# Altium PCB rf_test_source.PcbDoc (part 2 of 2)
Units mm, origin at the board's own origin, x right, y up, seen from the top; angles counter-clockwise.
Board outline 79.5 x 119 mm, 4 copper layers (Top Layer, GND, Inner Layer 2, Bottom Layer), stack 1.546 mm thick; 168 components, 112 nets, 446 pads, 122 vias.
Unrouted connection lines stored in the file: 110.
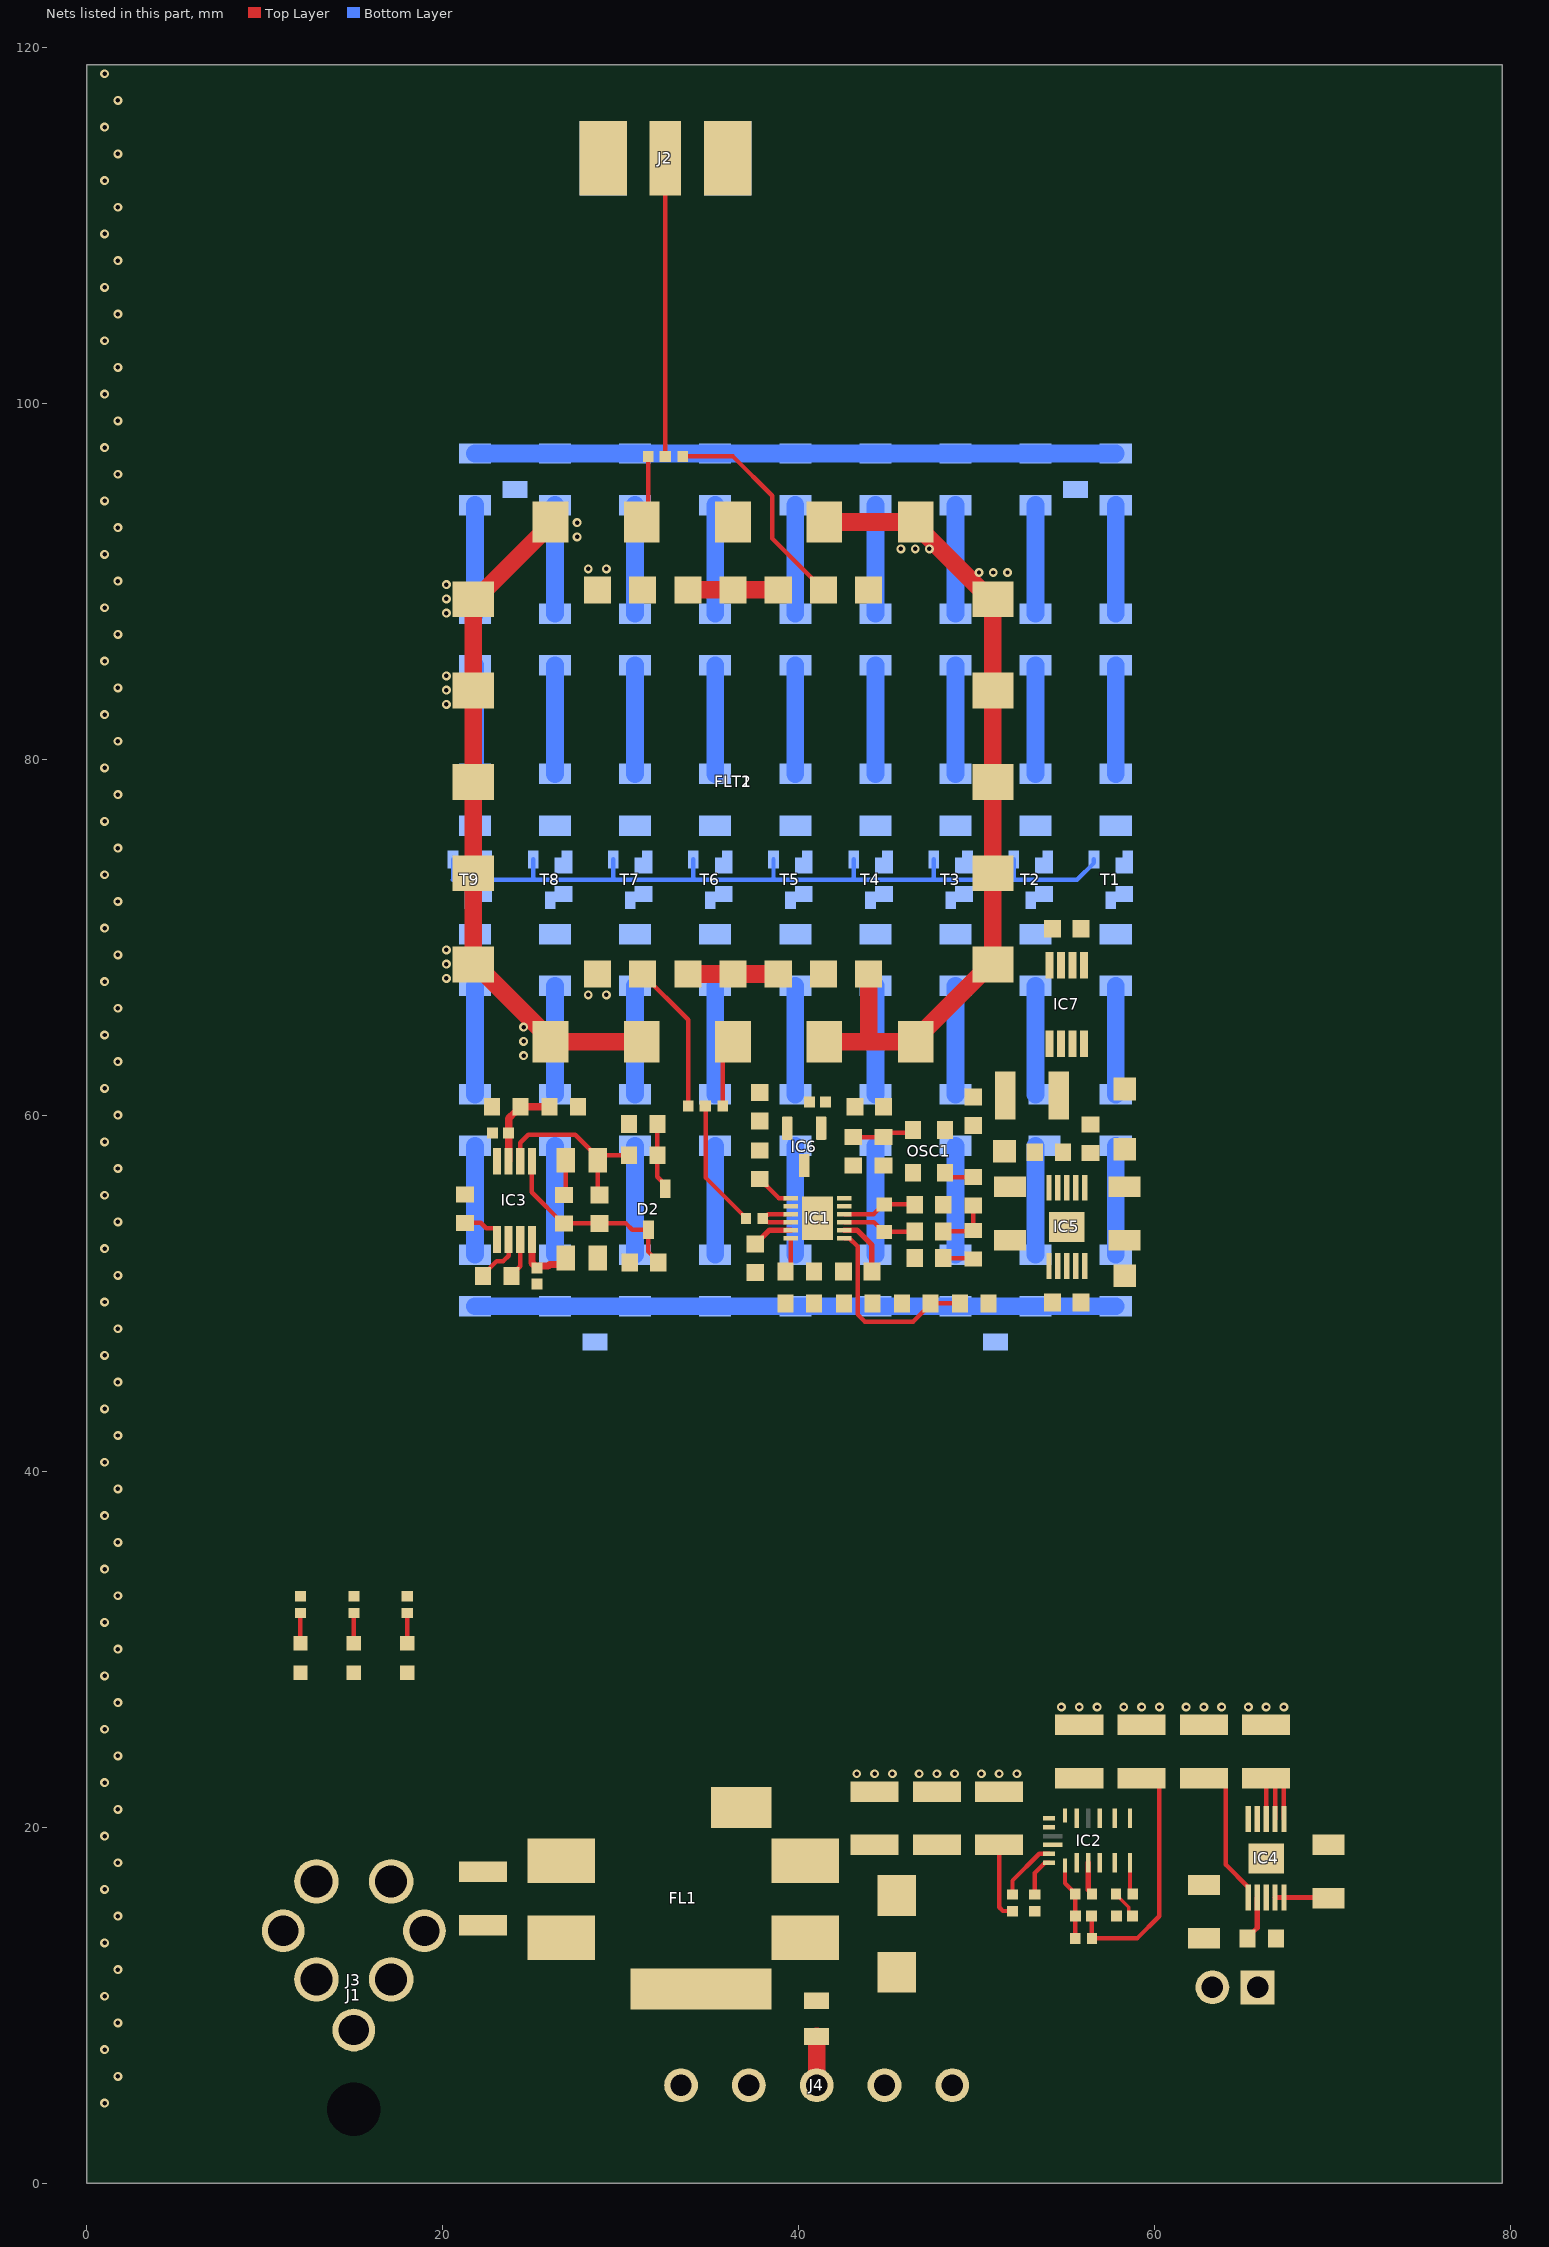
[diagram p4: the nets of this part, all layers, seen from the top]

## Part data (continued)
R4: library part R0603_50R_0.1%_0.125W_25PPM_VISHAY_FC0603E50R0BTBST1, "Resistor - 0.1%", Case=0603, Manufacturer="VISHAY DALE", Manufacturer Part Number=FC0603E50R0BTBST1, Power=0.125W, Tolerance=±0.1%, Author="CERN DEM JLC", Component Type=Standard, ComponentHeight=0.38mm, CreateDate=16.11.2017, HelpURL=\\cern.ch\dfs\Applications\Altium\Datasheets\R0603_VISHAY_FC.pdf, LatestRevisionDate=28.06.2022, Mounted=Yes, Part Description="High Frequency (up to 40 GHz) Thin Film Surface Mount Chip Resistor", Part Number=R0603_50R_0.1%_0.125W_25PPM_VISHAY_FC0603E50R0BTBST1, Pin Count=2, PressFit=No, Sense=No, SMD=Yes, Socket=No, Status="Not Recommended", TC=±25ppm/°C
R5 R6 R7 R8 R9 R10 R13 R14 R52 R53 R54 R55 R56 R57 R58 R59 R60: library part R0603_0R_JUMPER, "Resistor", Case=0603, Manufacturer=GENERIC, Manufacturer1 ComponentHeight=0.55mm, Manufacturer1 Example="NIC COMPONENT", Manufacturer1 Part Number=NRC06Z0, Author="CERN DEM JLC", Component Type=Standard, HelpURL=\\cern.ch\dfs\Applications\Altium\Datasheets\R0603_NIC_NRC.pdf, Manufacturer Part Number=R0603_0R_JUMPER, Part Description="1A (0.05R Max DC Resistance) Zero Ohm Jumper", Part Number=R0603_0R_JUMPER, Pin Count=2, PressFit=No, Sense=No, SMD=Yes, Socket=No, Status=Preferred
  R5 R9: CreateDate=03/12/2007, LatestRevisionDate=13/03/2008, Mounted=No
  R6 R7 R8 R10 R13 R14: CreateDate=03/12/2007, LatestRevisionDate=13/03/2008, Mounted=Yes
  R52 R53 R54 R55 R56 R57 R58 R59 R60: CreateDate=03.12.2007, LatestRevisionDate=13.03.2008, Mounted=Yes
R11: library part R0402_4R7_1%_0.0625W_200PPM, "Resistor - 1%", Case=0402, Manufacturer=GENERIC, Manufacturer1 ComponentHeight=0.4mm, Manufacturer1 Example="YAGEO PHYCOMP", Manufacturer1 Part Number=232270674708L, Power=0.0625W, Tolerance=±1%, Author="CERN DEM JLC", Component Type=Standard, CreateDate=03.12.2007, HelpURL=\\cern.ch\dfs\Applications\Altium\Datasheets\R0402_Phycomp_RC0402.pdf, LatestRevisionDate=17.10.2012, Manufacturer Part Number=R0402_4R7_1%_0.0625W_200PPM, Mounted=Yes, Part Description="General Purpose Thick Film Chip Resistor", Part Number=R0402_4R7_1%_0.0625W_200PPM, Pin Count=2, PressFit=No, Sense=No, SMD=Yes, Socket=No, Status="Not Recommended", TC=±200ppm/°C
R12: library part R0402_100K_1%_0.0625W_100PPM, "Resistor - 1%", Case=0402, Manufacturer=GENERIC, Manufacturer1 ComponentHeight=0.4mm, Manufacturer1 Example="YAGEO PHYCOMP", Manufacturer1 Part Number=232270671004L, Power=0.0625W, Tolerance=±1%, Author="CERN DEM JLC", Component Type=Standard, CreateDate=03.12.2007, HelpURL=\\cern.ch\dfs\Applications\Altium\Datasheets\R0402_Phycomp_RC0402.pdf, LatestRevisionDate=17.10.2012, Manufacturer Part Number=R0402_100K_1%_0.0625W_100PPM, Mounted=Yes, Part Description="General Purpose Thick Film Chip Resistor", Part Number=R0402_100K_1%_0.0625W_100PPM, Pin Count=2, PressFit=No, Sense=No, SMD=Yes, Socket=No, Status="Not Recommended", TC=±100ppm/°C
R15 R103: library part R0402_10K_1%_0.0625W_100PPM, "Resistor - 1%", Case=0402, Manufacturer=GENERIC, Manufacturer1 ComponentHeight=0.4mm, Manufacturer1 Example="YAGEO PHYCOMP", Manufacturer1 Part Number=232270671003L, Power=0.0625W, Tolerance=±1%, Author="CERN DEM JLC", Component Type=Standard, CreateDate=03.12.2007, HelpURL=\\cern.ch\dfs\Applications\Altium\Datasheets\R0402_Phycomp_RC0402.pdf, LatestRevisionDate=17.10.2012, Manufacturer Part Number=R0402_10K_1%_0.0625W_100PPM, Mounted=Yes, Part Description="General Purpose Thick Film Chip Resistor", Part Number=R0402_10K_1%_0.0625W_100PPM, Pin Count=2, PressFit=No, Sense=No, SMD=Yes, Socket=No, Status="Not Recommended", TC=±100ppm/°C
R16: library part R0402_51K_1%_0.0625W_100PPM, "Resistor - 1%", Case=0402, Manufacturer=GENERIC, Manufacturer1 ComponentHeight=0.4mm, Manufacturer1 Example="YAGEO PHYCOMP", Manufacturer1 Part Number=232270675103L, Power=0.0625W, Tolerance=±1%, Author="CERN DEM JLC", Component Type=Standard, CreateDate=03.12.2007, HelpURL=\\cern.ch\dfs\Applications\Altium\Datasheets\R0402_Phycomp_RC0402.pdf, LatestRevisionDate=17.10.2012, Manufacturer Part Number=R0402_51K_1%_0.0625W_100PPM, Mounted=Yes, Part Description="General Purpose Thick Film Chip Resistor", Part Number=R0402_51K_1%_0.0625W_100PPM, Pin Count=2, PressFit=No, Sense=No, SMD=Yes, Socket=No, Status="Not Recommended", TC=±100ppm/°C
R17 R20 R21 R95 R96: library part R0805_0R_JUMPER, "Resistor", Case=0805, Manufacturer=GENERIC, Manufacturer1 ComponentHeight=0.6mm, Manufacturer1 Example="NIC COMPONENT", Manufacturer1 Part Number=NRC10Z0, Author="CERN DEM JLC", Component Type=Standard, CreateDate=03.12.2007, HelpURL=\\cern.ch\dfs\Applications\Altium\Datasheets\R0805_NIC_NRC.pdf, LatestRevisionDate=13.03.2008, Manufacturer Part Number=R0805_0R_JUMPER, Mounted=Yes, Part Description="2A (0.05R Max DC Resistance) Zero Ohm Jumper", Part Number=R0805_0R_JUMPER, Pin Count=2, PressFit=No, Sense=No, SMD=Yes, Socket=No, Status=Preferred
R18 R22 R61 R84: library part R0603_1K_0.1%_0.063W_10PPM, "Resistor - 0.1%", Case=0603, Manufacturer=GENERIC, Manufacturer1 ComponentHeight=0.55mm, Manufacturer1 Example="TYCO HOLSWORTHY", Manufacturer1 Part Number=RN73C1J1K0BTG, Power=0.063W, Tolerance=±0.1%, Author="CERN DEM BC", Component Type=Standard, HelpURL=\\cern.ch\dfs\Applications\Altium\Datasheets\R0603_Tyco_RN73.pdf, Manufacturer Part Number=R0603_1K_0.1%_0.063W_10PPM, Mounted=Yes, Part Description="Thin Film Chip Resistor", Part Number=R0603_1K_0.1%_0.063W_10PPM, Pin Count=2, PressFit=No, Sense=No, SMD=Yes, Socket=No, Status="Not Recommended", TC=±10ppm
  R18 R22 R61: CreateDate=23.05.2016, LatestRevisionDate=23.05.2016
  R84: CreateDate=23/05/2016, LatestRevisionDate=23/05/2016
R19: library part R0402_5K6_1%_0.0625W_100PPM, "Resistor - 1%", Case=0402, Manufacturer=GENERIC, Manufacturer1 ComponentHeight=0.4mm, Manufacturer1 Example="YAGEO PHYCOMP", Manufacturer Part Number=R0402_5K62_1%_0.0625W_100PPM, Power=0.0625W, Tolerance=±1%, Author="CERN DEM JLC", Component Type=Standard, CreateDate=03.12.2007, HelpURL=\\cern.ch\dfs\Applications\Altium\Datasheets\R0402_Phycomp_RC0402.pdf, LatestRevisionDate=17.10.2012, Mounted=Yes, Part Description="General Purpose Thick Film Chip Resistor", Part Number=R0402_5K62_1%_0.0625W_100PPM, Pin Count=2, PressFit=No, Sense=No, SMD=Yes, Socket=No, Status="Not Recommended", TC=±100ppm/°C
R23 R24 R25 R26 R27 R28 R29 R30 R31 R33 R34 R35 R36 R37 R38 R39 R40 R41 R43 R44 R45 R46 R47 R48 R49 R50 R51 R65 R66 R67 R68 R69 R70 R71 R72 R73 R75 R76 R77 R78 R79 R80 R81 R82 R83 R86 R87 R88 R89 R90 R91 R92 R93 R94: library part R1206_43R_0.1%_0.25W_25PPM, "Resistor - 0.1%", Case=1206, Manufacturer=GENERIC, Manufacturer1 ComponentHeight=0.70mm, Manufacturer1 Example=KOA, Manufacturer1 Part Number=RN73H2BTTD43R0B25, Power=0.25W, Tolerance=±0.1%, Author="CERN DEM JLC", Component Type=Standard, CreateDate=03.12.2007, HelpURL=\\cern.ch\dfs\Applications\Altium\Datasheets\R1206_KOA_RN73H.pdf, LatestRevisionDate=13.03.2008, Manufacturer Part Number=R1206_43R_0.1%_0.25W_25PPM, Mounted=Yes, Part Description="Thin Film Chip Resistor", Part Number=R1206_43R_0.1%_0.25W_25PPM, Pin Count=2, PressFit=No, Sense=No, SMD=Yes, Socket=No, Status="Not Recommended", TC=±25ppm/°C
R32: library part R0603_49K9_0.1%_0.063W_10PPM, "Resistor - 0.1%", Case=0603, Manufacturer=GENERIC, Manufacturer1 ComponentHeight=0.5mm, Manufacturer1 Example="TYCO HOLSWORTHY", Manufacturer1 Part Number=RN73C1J49K9BTDF, Power=0.063W, Tolerance=±0.1%, Author="CERN DEM JLC", Component Type=Standard, CreateDate=03/12/2007, HelpURL=\\cern.ch\dfs\Applications\Altium\Datasheets\R0603_Tyco_RN73.pdf, LatestRevisionDate=13/03/2008, Manufacturer Part Number=R0603_49K9_0.1%_0.063W_10PPM, Mounted=Yes, Part Description="Thin Film Chip Resistor", Part Number=R0603_49K9_0.1%_0.063W_10PPM, Pin Count=2, PressFit=No, Sense=No, SMD=Yes, Socket=No, Status="Not Recommended", TC=±10ppm
R42: library part R0603_10M_1%_0.1W_100PPM, "Resistor - 1%", Case=0603, Manufacturer=GENERIC, Manufacturer1 ComponentHeight=0.55mm, Manufacturer1 Example=VISHAY, Manufacturer1 Part Number=CRCW060310M0FKEA, Power=0.1W, Tolerance=±1%, Author="CERN DEM JLC", Component Type=Standard, CreateDate=12.01.2017, HelpURL="\\cern.ch\dfs\Applications\Altium\Datasheets\R0603_VISHAY_CRCW e3.pdf", LatestRevisionDate=12.01.2017, Manufacturer Part Number=R0603_10M_1%_0.1W_100PPM, Mounted=Yes, Part Description="General Purpose Thick Film Chip Resistor", Part Number=R0603_10M_1%_0.1W_100PPM, Pin Count=2, PressFit=No, Sense=No, SMD=Yes, Socket=No, Status=Preferred, TC=±100ppm/°C
R62: library part R0603_100K_0.1%_0.063W_10PPM, "Resistor - 0.1%", Case=0603, Manufacturer=GENERIC, Manufacturer1 ComponentHeight=0.55mm, Manufacturer1 Example="TYCO HOLSWORTHY", Manufacturer1 Part Number=RN73C1J100KBTDF, Power=0.063W, Tolerance=±0.1%, Author="CERN DEM JLC", Component Type=Standard, CreateDate=03.12.2007, HelpURL=\\cern.ch\dfs\Applications\Altium\Datasheets\R0603_Tyco_RN73.pdf, LatestRevisionDate=13.03.2008, Manufacturer Part Number=R0603_100K_0.1%_0.063W_10PPM, Mounted=Yes, Part Description="Thin Film Chip Resistor", Part Number=R0603_100K_0.1%_0.063W_10PPM, Pin Count=2, PressFit=No, Sense=No, SMD=Yes, Socket=No, Status="Not Recommended", TC=±10ppm
R63 R85: library part R0603_10K_0.1%_0.063W_10PPM, "Resistor - 0.1%", Case=0603, Manufacturer=GENERIC, Manufacturer1 ComponentHeight=0.5mm, Manufacturer1 Example="TYCO HOLSWORTHY", Manufacturer1 Part Number=RN73C1J10KBTDF, Power=0.063W, Tolerance=±0.1%, Author="CERN DEM JLC", Component Type=Standard, CreateDate=03.12.2007, HelpURL=\\cern.ch\dfs\Applications\Altium\Datasheets\R0603_Tyco_RN73.pdf, LatestRevisionDate=13.03.2008, Manufacturer Part Number=R0603_10K_0.1%_0.063W_10PPM, Mounted=Yes, Part Description="Thin Film Chip Resistor", Part Number=R0603_10K_0.1%_0.063W_10PPM, Pin Count=2, PressFit=No, Sense=No, SMD=Yes, Socket=No, Status="Not Recommended", TC=±10ppm
R64: library part R0603_33K2_0.1%_0.063W_10PPM, "Resistor - 0.1%", Case=0603, Manufacturer=GENERIC, Manufacturer1 ComponentHeight=0.5mm, Manufacturer1 Example="TYCO HOLSWORTHY", Manufacturer1 Part Number=RN73C1J33K2BTDF, Power=0.063W, Tolerance=±0.1%, Author="CERN DEM JLC", Component Type=Standard, CreateDate=03/12/2007, HelpURL=\\cern.ch\dfs\Applications\Altium\Datasheets\R0603_Tyco_RN73.pdf, LatestRevisionDate=13/03/2008, Manufacturer Part Number=R0603_33K2_0.1%_0.063W_10PPM, Mounted=Yes, Part Description="Thin Film Chip Resistor", Part Number=R0603_33K2_0.1%_0.063W_10PPM, Pin Count=2, PressFit=No, Sense=No, SMD=Yes, Socket=No, Status="Not Recommended", TC=±10ppm
R74 R97 R99 R100: library part R0402_0R_JUMPER, "Resistor", Case=0402, Manufacturer=GENERIC, Manufacturer1 ComponentHeight=0.4mm, Manufacturer1 Example="YAGEO PHYCOMP", Manufacturer1 Part Number=232270591001L, Author="CERN DEM JLC", Component Type=Standard, CreateDate=03.12.2007, HelpURL=\\cern.ch\dfs\Applications\Altium\Datasheets\R0402_Phycomp_RC0402.pdf, LatestRevisionDate=17.10.2012, Manufacturer Part Number=R0402_0R_JUMPER, Mounted=Yes, Part Description="1A (0.05R Max DC Resistance) Zero Ohm Jumper", Part Number=R0402_0R_JUMPER, Pin Count=2, PressFit=No, Sense=No, SMD=Yes, Socket=No, Status="Not Recommended"
R98: library part R0603_20K_0.1%_0.063W_10PPM, "Resistor - 0.1%", Case=0603, Manufacturer=GENERIC, Manufacturer1 ComponentHeight=0.5mm, Manufacturer1 Example="TYCO HOLSWORTHY", Manufacturer1 Part Number=RN73C1J20KBTDF, Power=0.063W, Tolerance=±0.1%, Author="CERN DEM JLC", Component Type=Standard, CreateDate=03.12.2007, HelpURL=\\cern.ch\dfs\Applications\Altium\Datasheets\R0603_Tyco_RN73.pdf, LatestRevisionDate=13.03.2008, Manufacturer Part Number=R0603_20K_0.1%_0.063W_10PPM, Mounted=Yes, Part Description="Thin Film Chip Resistor", Part Number=R0603_20K_0.1%_0.063W_10PPM, Pin Count=2, PressFit=No, Sense=No, SMD=Yes, Socket=No, Status="Not Recommended", TC=±10ppm
R101: library part R0402_2K4_1%_0.0625W_100PPM, "Resistor - 1%", Case=0402, Manufacturer=GENERIC, Manufacturer1 ComponentHeight=0.4mm, Manufacturer1 Example="YAGEO PHYCOMP", Manufacturer1 Part Number=232270672402L, Power=0.0625W, Tolerance=±1%, Author="CERN DEM JLC", Component Type=Standard, CreateDate=03.12.2007, HelpURL=\\cern.ch\dfs\Applications\Altium\Datasheets\R0402_Phycomp_RC0402.pdf, LatestRevisionDate=17.10.2012, Manufacturer Part Number=R0402_2K4_1%_0.0625W_100PPM, Mounted=Yes, Part Description="General Purpose Thick Film Chip Resistor", Part Number=R0402_2K4_1%_0.0625W_100PPM, Pin Count=2, PressFit=No, Sense=No, SMD=Yes, Socket=No, Status="Not Recommended", TC=±100ppm/°C
R102: library part R0402_5K1_1%_0.0625W_100PPM, "Resistor - 1%", Case=0402, Manufacturer=GENERIC, Manufacturer1 ComponentHeight=0.4mm, Manufacturer1 Example="YAGEO PHYCOMP", Manufacturer1 Part Number=232270675102L, Power=0.0625W, Tolerance=±1%, Author="CERN DEM JLC", Component Type=Standard, CreateDate=03.12.2007, HelpURL=\\cern.ch\dfs\Applications\Altium\Datasheets\R0402_Phycomp_RC0402.pdf, LatestRevisionDate=17.10.2012, Manufacturer Part Number=R0402_5K1_1%_0.0625W_100PPM, Mounted=Yes, Part Description="General Purpose Thick Film Chip Resistor", Part Number=R0402_5K1_1%_0.0625W_100PPM, Pin Count=2, PressFit=No, Sense=No, SMD=Yes, Socket=No, Status="Not Recommended", TC=±100ppm/°C
RT1: library part THERM_NTC_10K_EPCOS_B57330V2103J260, "Thermistor NTC (Negative Temperature Coefficient)", Case=0603, Manufacturer="EPCOS / TDK", Manufacturer Part Number=B57330V2103J260, Power=180mW, Tolerance=±5%, Author="CERN DEM BC", Component Type=Standard, ComponentHeight=0.9mm, CreateDate=30.07.2015, HelpURL=\\cern.ch\dfs\Applications\Altium\Datasheets\THERM_EPCOS_B573xxV2.pdf, LatestRevisionDate=30.07.2015, Mounted=Yes, Part Description="SMD NTC Thermistor for Temperature Measurement", Part Number=THERM_NTC_10K_EPCOS_B57330V2103J260, Pin Count=2, Sense=No, SMD=Yes, Socket=No, Status=None
T1 T2 T3 T4 T5 T6 T7 T8 T9: "N-CHANNEL MOSFET WITH DIODE", Case=SOT23-3, Manufacturer=NEXPERIA, Author="CERN DEM BC", Bonding=No, Component Type=Standard, ComponentHeight=1.1mm, CreateDate=23.04.2020, Device=PMV40UN2, HelpURL=\\cern.ch\dfs\Applications\Altium\Datasheets\PMV40UN2.pdf, LatestRevisionDate=23.04.2020, Manufacturer Part Number=PMV40UN2, Mounted=Yes, PackageDescription="SOT23, 0.95mm Pitch; 3 Pin, 1.30mm W X 2.90mm L X 1.10mm H body, IPC Medium Density", Part Description="30V 4.4A N-Channel Trench MOSFET", Part Number=PMV40UN2, Pin Count=3, PressFit=No, Sense=No, SMD=Yes, Socket=No
TP1 TP2 TP3 TP4: library part SMD_PAD_1.27X1.27MM, Author="CERN DEM JLC", Component Type="Standard (No BOM)", ComponentHeight=0mm, CreateDate=12/01/2008, Family="Test Point", HelpURL=Undefined, LatestRevisionDate=12/01/2008, Mounted=No, PackageDescription="1.27mm x 1.27mm PCB Copper Area (SMD Test Point)", Part Description="1.27mm x 1.27mm PCB Copper Area (SMD Test Point)", Part Number=SMD_PAD_1.27X1.27MM, Pin Count=1, Sense=No, SMD=Yes, Socket=No, Status=None

## Via types
v1: diameter 0.5, hole 0.25, Top Layer to Bottom Layer, tented both sides, 122 vias

## Nets (pads, with @x,y where several pads share a name; then routed paths per layer and width w, separated by ;. In a path a pad name is that pad's centre, name@x,y a point inside that pad or via, vN(x,y) a via of type N, cw(c..) or ccw(c..) an arc to the next point about the centre after c; other vN are vias at no path point)
FLTA: IC1.1 R9.1 R13.2 | length 11.1
  Top Layer w0.25: IC1.1@42.55,53.09 42.825,53.09 43.3,52.615 43.3,48.8 43.696,48.404 46.429,48.404 47.396,49.371 R9.1@47.396,49.421 R13.2@49.046,49.421
FLTB: IC1.6 R10.1 R14.2
GND: C2.1 C3.1 C5.1 C6.1 C7.1 C8.1 C9.1 C10.2 C11.1 C12.1 C13.1 C14.1 C16.1 C17.1 C19.1 C21.1 C22.1 C23.1 C24.1 C25.1 C26.1 C27.1 C28.1 C29.1 C30.1 D1.2 FL1.4 FLT1.1 FLT1.2 FLT1.3 FLT1.4 FLT1.5 FLT1.6 FLT1.7 FLT1.8 FLT1.10 FLT1.11 FLT1.12 FLT1.13 FLT1.14 FLT1.15 FLT1.16 FLT1.17 FLT1.19 FLT1.20 FLT2.1 FLT2.3 FLT2.4 FLT2.5 FLT2.7 FLT2.8 FLT2.10 FLT2.11 FLT2.12 FLT2.14 IC1.5 IC1.8 IC1.13 IC2.3 IC2.12 IC2.13 IC2.14 IC3.4 IC4.5 IC4.8 IC4.11 IC5.5 IC5.8 IC5.11 IC6.3 IC7.3 IC7.4 IC7.5 IC7.8 J2.2 J5.2 LD1.1 LD2.1 LD3.1 OSC1.2 R6.1 R7.1 R8.1 R13.1 R14.1 R17.2 R19.1 R32.1 R64.1 R85.1 R95.1 TP4.1 | length 97.1
  Top Layer w0.3: IC2.3@56.25,18 56.25,16.49 56.47,16.27 R19.1@56.47,16.25
  Top Layer w1: FLT1.10@26.04,93.31 26.04,93.16 21.855,88.975 FLT1.11@21.705,88.975 FLT1.12@21.705,83.845 FLT1.13@21.705,78.715 FLT1.14@21.705,73.585 FLT1.15@21.705,68.455 21.855,68.455 26.04,64.27 FLT1.16@26.04,64.12 FLT1.17@31.17,64.12 ; FLT2.3@33.76,67.92 FLT2.4@36.3,67.92 FLT2.5@38.84,67.92 ; FLT2.12@33.76,89.51 FLT2.11@36.3,89.51 FLT2.10@38.84,89.51 ; FLT1.19@41.43,64.12 43.995,64.12 ; FLT1.7@41.43,93.31 FLT1.6@46.56,93.31 46.56,93.16 50.745,88.975 FLT1.5@50.895,88.975 FLT1.4@50.895,83.845 FLT1.3@50.895,78.715 FLT1.2@50.895,73.585 FLT1.1@50.895,68.455 50.745,68.455 46.56,64.27 FLT1.20@46.56,64.12 43.995,64.12 ; FLT2.7@43.92,67.92 43.92,64.195 43.995,64.12
  other v1: 1,4.5 1.75,6 1,7.5 1.75,9 1,10.5 1.75,12 1,13.5 1.75,15 1,16.5 1.75,18 1,19.5 1.75,21 1,22.5 43.25,23 44.25,23 45.25,23 46.75,23 47.75,23 48.75,23 50.25,23 51.25,23 52.25,23 1.75,24 1,25.5 54.75,26.75 55.75,26.75 56.75,26.75 58.25,26.75 59.25,26.75 60.25,26.75 61.75,26.75 62.75,26.75 63.75,26.75 65.25,26.75 66.25,26.75 67.25,26.75 1.75,27 1,28.5 1.75,30 1,31.5 1.75,33 1,34.5 1.75,36 1,37.5 1.75,39 1,40.5 1.75,42 1,43.5 1.75,45 1,46.5 1.75,48 1,49.5 1.75,51 1,52.5 1.75,54 1,55.5 1.75,57 1,58.5 1.75,60 1,61.5 1.75,63 24.535,63.345 24.535,64.145 1,64.5 24.535,64.945 1.75,66 28.17,66.75 29.19,66.75 1,67.5 20.2,67.68 20.2,68.48 1.75,69 20.2,69.28 1,70.5 1.75,72 1,73.5 1.75,75 1,76.5 1.75,78 1,79.5 1.75,81 1,82.5 20.2,83.07 20.2,83.87 1.75,84 20.2,84.67 1,85.5 1.75,87 20.2,88.2 1,88.5 20.2,89 20.2,89.8 1.75,90 50.12,90.48 50.92,90.48 51.72,90.48 28.17,90.68 29.19,90.68 1,91.5 45.735,91.805 46.535,91.805 47.335,91.805 27.545,92.485 1.75,93 27.545,93.285 1,94.5 1.75,96 1,97.5 1.75,99 1,100.5 1.75,102 1,103.5 1.75,105 1,106.5 1.75,108 1,109.5 1.75,111 1,112.5 1.75,114 1,115.5 1.75,117 1,118.5
HEATER_CONTROL: R63.2 T1.1 T2.1 T3.1 T4.1 T5.1 T6.1 T7.1 T8.1 T9.1 | length 45.9
  Bottom Layer w0.25: T9.1@20.575,74.365 20.575,73.24 20.55,73.215 25.05,73.215 ; T8.1@25.075,74.365 25.075,73.24 25.05,73.215 ; T7.1@29.575,74.365 29.575,73.24 29.55,73.215 ; T6.1@34.075,74.365 34.075,73.24 34.05,73.215 ; T5.1@38.575,74.365 38.575,73.24 38.55,73.215 ; T4.1@43.075,74.365 43.075,73.24 43.05,73.215 ; T3.1@47.575,74.365 47.575,73.24 47.55,73.215 ; T2.1@52.075,74.365 52.075,73.24 52.05,73.215 ; T1.1@56.575,74.365 56.575,74.165 55.625,73.215 52.05,73.215 ; 25.05,73.215 29.55,73.215 ; 29.55,73.215 34.05,73.215 ; 34.05,73.215 38.55,73.215 ; 38.55,73.215 43.05,73.215 ; 43.05,73.215 47.55,73.215 ; 47.55,73.215 52.05,73.215
HT_EXT_PWR_N: J4.1 R96.1
HT_EXT_PWR_P: J4.2 R21.2
HT_EXT_SEN_1: J4.4 RT1.1
HT_EXT_SEN_2: J4.5 RT1.2
NetC1_1: C1.1 R1.2 R3.2 | length 3.1
  Top Layer w0.25: C1.1@48.109,53.465 49.75,53.465 R3.2@49.8,53.515 R1.2@49.8,54.915
NetC1_2: C1.2 IC1.3 R4.2 | length 4.2
  Top Layer w0.25: IC1.3@42.55,53.99 44.212,53.99 44.762,53.44 R4.2@44.8,53.44 46.484,53.44 C1.2@46.509,53.465
NetC3_2: C3.2 IC1.4 R4.1 | length 4.2
  Top Layer w0.25: IC1.4@42.55,54.44 44.212,54.44 44.762,54.99 R4.1@44.8,54.99 46.484,54.99 C3.2@46.509,54.965
NetC4_1: C4.1 FL1.3 J1.1 J1.2 J3.2 J3.3
NetC4_2: C4.2 FL1.1 J1.3 J1.4 J3.1
NetC7_2: C7.2 R3.1 | length 1.7
  Top Layer w0.25: C7.2@48.109,51.965 49.75,51.965 R3.1@49.8,51.915
NetC10_1: C10.1 R11.2 | length 1.6
  Top Layer w0.2: R11.2@57.81,16.25 57.81,16.23 58.54,15.5 58.54,15.21 C10.1@58.75,15
NetC15_1: C15.1 IC2.1 R16.1 R19.2 | length 4.3
  Top Layer w0.25: IC2.1@54.95,17.85 54.95,16.85 55.53,16.27 R19.2@55.53,16.25 R16.1@55.53,13.75
NetC18_1: C18.1 C20.1 IC3.2 R62.2 | length 10.1
  Top Layer w0.25: IC3.2@24.348,57.415 24.348,58.448 24.8,58.9 27.44,58.9 28.7,57.64 C20.1@28.7,57.465 ; C18.1@28.8,55.515 28.7,55.615 C20.1@28.7,57.465 ; R62.2@30.45,57.75 28.985,57.75 C20.1@28.7,57.465
NetC18_2: C18.2 D2.3 IC3.1 R42.2 R63.1 | length 11.2
  Top Layer w0.25: IC3.1@24.998,57.415 24.998,55.667 26.75,53.915 R42.2@26.8,53.915 C18.2@28.8,53.915 30.285,53.915 30.635,53.565 D2.3@31.55,53.565 31.55,52.315 32.1,51.765 R63.1@32.1,51.715
NetC19_2: C19.2 IC4.7 R32.2 | length 2.5
  Top Layer w0.3: R32.2@65.2,13.75 65.2,13.8 65.75,14.35 IC4.7@65.75,16.05
NetC20_2: C20.2 R42.1 | length 2
  Top Layer w0.25: R42.1@26.8,55.515 26.9,55.615 C20.2@26.9,57.465
NetC28_2: C28.2 IC3.3 R85.2 R98.1 | length 5
  Top Layer w0.4: IC3.3@23.698,57.415 23.699,57.416 23.699,58.999 C28.2@23.7,59 23.7,59.819 24.05,60.169 24.1,60.169 24.35,60.419 R85.2@24.35,60.469 24.352,60.467 25.998,60.467 R98.1@26,60.465
NetC30_2: C30.2 IC7.6 IC7.7 R84.1 TP1.1
NetD2_1: D2.1 R61.2 R62.1 | length 3.8
  Top Layer w0.25: R61.2@32.05,59.5 R62.1@32.05,57.75 32.05,56.54 32.5,56.09 D2.1@32.5,55.865
NetFLT1_9: FLT1.9 R100.1 | length 3.8
  Top Layer w0.25: FLT1.9@31.17,93.31 31.53,93.67 R100.1@31.53,97
NetFLT1_18: FLT1.18 R99.2 | length 3.9
  Top Layer w0.25: R99.2@35.72,60.5 35.72,63.54 FLT1.18@36.3,64.12
NetFLT2_2: FLT2.2 R74.2 | length 8.5
  Top Layer w0.25: FLT2.2@31.22,67.92 33.78,65.36 R74.2@33.78,60.5
NetFLT2_6: FLT2.6
NetFLT2_9: FLT2.9 R97.1 | length 12.4
  Top Layer w0.25: R97.1@33.47,97 36.3,97 38.5,94.8 38.5,92.39 FLT2.9@41.38,89.51
NetFLT2_13: FLT2.13
NetIC1_7: IC1.7 R6.2 | length 2.2
  Top Layer w0.25: R6.2@37.8,56.415 37.85,56.415 38.175,56.09 38.175,56.04 38.875,55.34 IC1.7@39.55,55.34
NetIC1_9: IC1.9 IC1.10 R2.1 | length 3.4
  Top Layer w0.25: IC1.10@39.55,53.99 38.281,53.99 38.256,54.015 38.135,54.015 37.97,54.18 37.97,54.22 38.135,54.385 38.226,54.385 38.281,54.44 IC1.9@39.55,54.44
NetIC1_12: IC1.12 R7.2 | length 2
  Top Layer w0.25: R7.2@39.25,51.215 39.55,51.515 IC1.12@39.55,53.09
NetIC2_2: IC2.2 R15.1
NetIC2_4: IC2.4 IC2.5 IC2.6 R11.1 | length 1.8
  Top Layer w0.25: IC2.6@58.6,18 58.6,16.4 R11.1@58.75,16.25
NetIC2_11: IC2.11
NetIC2_17: IC2.17 R12.1 | length 3.5
  Top Layer w0.25: R12.1@52,16.22 52,17 53.5,18.5 IC2.17@54.05,18.5
NetIC3_5: IC3.5 R22.2 | length 2.5
  Top Layer w0.25: R22.2@21.25,53.95 22.132,53.95 22.442,53.64 22.948,53.64 23.048,53.54 IC3.5@23.048,53.015
NetIC3_6: IC3.6 R18.1 | length 2.9
  Top Layer w0.25: R18.1@22.25,50.965 22.25,51.015 23.035,51.8 23.4,51.8 23.7,52.1 23.7,53.013 IC3.6@23.698,53.015
NetIC4_4: IC4.4
NetIC5_4: IC5.4
NetJ4_3: J4.3 R17.1 | length 2.8
  Top Layer w1: J4.3@41,5.5 R17.1@41,8.25
NetLD1_2: LD1.2 R101.2 | length 1.7
  Top Layer w0.25: LD1.2@18,30.325 R101.2@18,32.03
NetLD2_2: LD2.2 R102.2 | length 1.7
  Top Layer w0.25: LD2.2@15,30.325 R102.2@15,32.03
NetLD3_2: LD3.2 R103.1 | length 1.7
  Top Layer w0.25: LD3.2@12,30.325 R103.1@12,32.03
NetOSC1_1: OSC1.1 R5.1 R8.2 | length 3.5
  Top Layer w0.25: R8.2@43.05,58.765 R5.1@44.746,58.765 44.981,59 46.233,59 OSC1.1@46.398,59.165
NetOSC1_3: OSC1.3 R1.1 | length 1.7
  Top Layer w0.25: OSC1.3@48.198,56.765 48.448,56.515 R1.1@49.8,56.515
NetR20_1: R20.1 R21.1 R23.2 R24.2 R25.2 R26.2 R27.2 R28.2 R29.2 R30.2 R31.2 | length 36
  Bottom Layer w1: R31.2@21.8,49.265 R30.2@26.3,49.265 R29.2@30.8,49.265 R28.2@35.3,49.265 R27.2@39.8,49.265 R26.2@44.3,49.265 R25.2@48.8,49.265 R24.2@53.3,49.265 R23.2@57.8,49.265
NetR23_1: R23.1 R33.2 | length 6.1
  Bottom Layer w1: R23.1@57.8,52.165 R33.2@57.8,58.265
NetR24_1: R24.1 R34.2 | length 6.1
  Bottom Layer w1: R24.1@53.3,52.165 R34.2@53.3,58.265
NetR25_1: R25.1 R35.2 | length 6.1
  Bottom Layer w1: R25.1@48.8,52.165 R35.2@48.8,58.265
NetR26_1: R26.1 R36.2 | length 6.1
  Bottom Layer w1: R26.1@44.3,52.165 R36.2@44.3,58.265
NetR27_1: R27.1 R37.2 | length 6.1
  Bottom Layer w1: R27.1@39.8,52.165 R37.2@39.8,58.265
NetR28_1: R28.1 R38.2 | length 6.1
  Bottom Layer w1: R28.1@35.3,52.165 R38.2@35.3,58.265
NetR29_1: R29.1 R39.2 | length 6.1
  Bottom Layer w1: R29.1@30.8,52.165 R39.2@30.8,58.265
NetR30_1: R30.1 R40.2 | length 6.1
  Bottom Layer w1: R30.1@26.3,52.165 R40.2@26.3,58.265
NetR31_1: R31.1 R41.2 | length 6.1
  Bottom Layer w1: R31.1@21.8,52.165 R41.2@21.8,58.265
NetR33_1: R33.1 R43.2 | length 6.1
  Bottom Layer w1: R33.1@57.8,61.165 R43.2@57.8,67.265
NetR34_1: R34.1 R44.2 | length 6.1
  Bottom Layer w1: R34.1@53.3,61.165 R44.2@53.3,67.265
NetR35_1: R35.1 R45.2 | length 6.1
  Bottom Layer w1: R35.1@48.8,61.165 R45.2@48.8,67.265
NetR36_1: R36.1 R46.2 | length 6.1
  Bottom Layer w1: R36.1@44.3,61.165 R46.2@44.3,67.265
NetR37_1: R37.1 R47.2 | length 6.1
  Bottom Layer w1: R37.1@39.8,61.165 R47.2@39.8,67.265
NetR38_1: R38.1 R48.2 | length 6.1
  Bottom Layer w1: R38.1@35.3,61.165 R48.2@35.3,67.265
NetR39_1: R39.1 R49.2 | length 6.1
  Bottom Layer w1: R39.1@30.8,61.165 R49.2@30.8,67.265
NetR40_1: R40.1 R50.2 | length 6.1
  Bottom Layer w1: R40.1@26.3,61.165 R50.2@26.3,67.265
NetR41_1: R41.1 R51.2 | length 6.1
  Bottom Layer w1: R41.1@21.8,61.165 R51.2@21.8,67.265
NetR43_1: R43.1 R52.2 T1.3
NetR44_1: R44.1 R53.2 T2.3
NetR45_1: R45.1 R54.2 T3.3
NetR46_1: R46.1 R55.2 T4.3
NetR47_1: R47.1 R56.2 T5.3
NetR48_1: R48.1 R57.2 T6.3
NetR49_1: R49.1 R58.2 T7.3
NetR50_1: R50.1 R59.2 T8.3
NetR51_1: R51.1 R60.2 T9.3
NetR52_1: R52.1 R65.2 T1.2
NetR53_1: R53.1 R66.2 T2.2
NetR54_1: R54.1 R67.2 T3.2
NetR55_1: R55.1 R68.2 T4.2
NetR56_1: R56.1 R69.2 T5.2
NetR57_1: R57.1 R70.2 T6.2
NetR58_1: R58.1 R71.2 T7.2
NetR59_1: R59.1 R72.2 T8.2
NetR60_1: R60.1 R73.2 T9.2
NetR65_1: R65.1 R75.2 | length 6.1
  Bottom Layer w1: R65.1@57.8,79.165 R75.2@57.8,85.265
NetR66_1: R66.1 R76.2 | length 6.1
  Bottom Layer w1: R66.1@53.3,79.165 R76.2@53.3,85.265
NetR67_1: R67.1 R77.2 | length 6.1
  Bottom Layer w1: R67.1@48.8,79.165 R77.2@48.8,85.265
NetR68_1: R68.1 R78.2 | length 6.1
  Bottom Layer w1: R68.1@44.3,79.165 R78.2@44.3,85.265
NetR69_1: R69.1 R79.2 | length 6.1
  Bottom Layer w1: R69.1@39.8,79.165 R79.2@39.8,85.265
NetR70_1: R70.1 R80.2 | length 6.1
  Bottom Layer w1: R70.1@35.3,79.165 R80.2@35.3,85.265
NetR71_1: R71.1 R81.2 | length 6.1
  Bottom Layer w1: R71.1@30.8,79.165 R81.2@30.8,85.265
NetR72_1: R72.1 R82.2 | length 6.1
  Bottom Layer w1: R72.1@26.3,79.165 R82.2@26.3,85.265
NetR73_1: R73.1 R83.2 | length 6.1
  Bottom Layer w1: R73.1@21.8,79.165 R83.2@21.8,85.265
NetR75_1: R75.1 R86.2 | length 6.1
  Bottom Layer w1: R75.1@57.8,88.165 R86.2@57.8,94.265
NetR76_1: R76.1 R87.2 | length 6.1
  Bottom Layer w1: R76.1@53.3,88.165 R87.2@53.3,94.265
NetR77_1: R77.1 R88.2 | length 6.1
  Bottom Layer w1: R77.1@48.8,88.165 R88.2@48.8,94.265
NetR78_1: R78.1 R89.2 | length 6.1
  Bottom Layer w1: R78.1@44.3,88.165 R89.2@44.3,94.265
NetR79_1: R79.1 R90.2 | length 6.1
  Bottom Layer w1: R79.1@39.8,88.165 R90.2@39.8,94.265
NetR80_1: R80.1 R91.2 | length 6.1
  Bottom Layer w1: R80.1@35.3,88.165 R91.2@35.3,94.265
NetR81_1: R81.1 R92.2 | length 6.1
  Bottom Layer w1: R81.1@30.8,88.165 R92.2@30.8,94.265
NetR82_1: R82.1 R93.2 | length 6.1
  Bottom Layer w1: R82.1@26.3,88.165 R93.2@26.3,94.265
NetR83_1: R83.1 R94.2 | length 6.1
  Bottom Layer w1: R83.1@21.8,88.165 R94.2@21.8,94.265
NetR86_1: R86.1 R87.1 R88.1 R89.1 R90.1 R91.1 R92.1 R93.1 R94.1 R95.2 R96.2 | length 36
  Bottom Layer w1: R94.1@21.8,97.165 R93.1@26.3,97.165 R92.1@30.8,97.165 R91.1@35.3,97.165 R90.1@39.8,97.165 R89.1@44.3,97.165 R88.1@48.8,97.165 R87.1@53.3,97.165 R86.1@57.8,97.165
P3V3: C2.2 C8.2 C9.2 C21.2 IC1.2 IC1.11 IC5.9 IC5.10 OSC1.4 R5.2 R9.2 R10.2 R98.2 TP3.1 | length 5.7
  Top Layer w0.3: C9.2@37.55,52.765 37.575,52.765 38.35,53.54 IC1.11@39.55,53.54 ; IC1.2@42.55,53.54 43.26,53.54 44.1,52.7 C8.2@44.1,51.215
P5V0: C17.2 C22.2 C24.2 C25.2 C29.2 IC4.9 IC4.10 IC5.1 IC5.2 IC5.3 IC5.6 IC6.1 IC7.1 IC7.2 R101.1 | length 3
  Top Layer w0.3: IC4.9@66.75,16.05 69.7,16.05 C17.2@69.75,16
P6V0: C12.2 C13.2 C14.2 C15.2 C16.2 IC2.7 IC2.8 IC2.9 IC4.1 IC4.2 IC4.3 IC4.6 R16.2 R102.1 | length 30.1
  Top Layer w0.25: C15.2@56.45,15 56.46,14.99 56.46,13.76 R16.2@56.47,13.75 59,13.75 60.25,15 60.25,22.3 59.8,22.75 C13.2@59.25,22.75 ; C14.2@62.75,22.75 63.525,22.75 63.975,22.3 63.975,17.9 65.25,16.625 IC4.6@65.25,16.05 ; IC4.3@66.25,20.45 C16.2@66.25,22.75 C16.2@66.3,22.75 ; IC4.2@66.75,20.45 66.75,22.3 C16.2@66.3,22.75 ; IC4.1@67.25,20.45 67.25,22.3 66.8,22.75 C16.2@66.3,22.75
P6V0_PG: IC2.18 R15.2 | length 2.2
  Top Layer w0.25: R15.2@53.25,16.22 53.25,17.425 53.825,18 IC2.18@54.05,18
P12V0: C5.2 C6.2 C11.2 C26.2 C27.2 D1.1 FL1.2 IC2.16 IC3.8 R12.2 R20.2 R103.2 | length 7.9
  Top Layer w0.25: C11.2@51.25,19 51.25,15.5 51.461,15.289 51.991,15.289 R12.2@52,15.28
  Top Layer w0.4: IC3.8@24.998,53.015 24.998,51.705 C26.2@25.3,51.403 25.41,51.513 25.913,51.513 26,51.6 26.575,51.6 26.9,51.925 C27.2@26.9,51.965
RF_FLT_IN: R2.2 R74.1 R99.1 | length 7.2
  Top Layer w0.25: R99.1@34.78,60.5 34.78,56.47 37.03,54.22 R2.2@37.03,54.2
RF_FLT_OUT: J2.1 R97.2 R100.2 | length 17.8
  Top Layer w0.25: R100.2@32.5,96.965 J2.1@32.5,114.75
TEMP_SENHT_OUT: IC6.2 R22.1 R61.1
TEMP_SENHT_OUT_BUFF: IC3.7 J5.1 R18.2 | length 2.3
  Top Layer w0.25: R18.2@23.85,50.965 23.85,51.015 24.348,51.513 IC3.7@24.348,53.015
Vset_3V3: C23.2 IC5.7 R64.2 R84.2 TP2.1
pads on no net: D2.2 IC2.10 IC2.15 J1.5

## Polygon pours and split planes (outlines as drawn)
no net on Bottom Layer "balancing" (solid, shelved, pour order 41): 0,3 100,3 100,163 0,163
NetR35_1 on Top Layer "NETR35_1_L01_P065" (solid, pour order 65): 48.365,65.295 48.365,62.895 45.165,62.895 45.165,65.295
GND on Top Layer "GND_L01_P070" (solid, pour order 70): 27.92,90.98 29.44,90.98 29.44,88.75 27.92,88.75
GND on Top Layer "GND_L01_P069" (solid, pour order 69): 29.44,66.45 27.92,66.45 27.92,68.68 29.44,68.68
GND on Top Layer "GND_L01_P068" (solid, pour order 68): 27.845,94.485 27.845,92.085 24.645,92.085 24.645,94.485
GND on Top Layer "GND_L01_P066" (solid, pour order 66): 47.735,91.505 45.335,91.505 45.335,94.705 47.735,94.705
GND on Top Layer "GND_L01_P064" (solid, pour order 64): 24.235,62.945 24.235,65.345 27.435,65.345 27.435,62.945
GND on Top Layer "GND_L01_P063" (solid, pour order 63): 49.72,90.78 52.12,90.78 52.12,87.58 49.72,87.58
GND on Top Layer "GND_L01_P062" (solid, pour order 62): 19.9,67.28 19.9,69.68 23.1,69.68 23.1,67.28
GND on Top Layer "GND_L01_P060" (solid, pour order 60): 19.9,82.67 19.9,85.07 23.1,85.07 23.1,82.67
GND on Top Layer "GND_L01_P059" (solid, pour order 59): 19.9,87.8 19.9,90.2 23.1,90.2 23.1,87.8
GND on Top Layer "GND_L01_P058" (solid, pour order 58): 64.75,27 67.75,27 67.75,25 64.75,25
GND on Top Layer "GND_L01_P057" (solid, pour order 57): 61.25,27 64.25,27 64.25,25 61.25,25
GND on Top Layer "GND_L01_P056" (solid, pour order 56): 57.75,27 60.75,27 60.75,25 57.75,25
GND on Top Layer "GND_L01_P055" (solid, pour order 55): 54.25,27 57.25,27 57.25,25 54.25,25
GND on Top Layer "GND_L01_P054" (solid, pour order 54): 49.75,23.25 52.75,23.25 52.75,21.25 49.75,21.25
GND on Top Layer "GND_L01_P053" (solid, pour order 53): 46.25,23.25 49.25,23.25 49.25,21.25 46.25,21.25
GND on Top Layer "GND_L01_P052" (solid, pour order 52): 42.75,23.25 45.75,23.25 45.75,21.25 42.75,21.25
NetC19_2 on Top Layer "NETC19_2_L01_P051" (solid, pour order 51): 66,14.5 66,13 61.5,13 61.5,14.5
P5V0 on Top Layer "P5V0_L01_P050" (solid, pour order 50): 67.75,16.75 71,16.75 71,15.25 67.75,15.25
P6V0 on Top Layer "P6V0_L01_P048" (solid, pour order 48): 54,23.5 68,23.5 68,21.5 59.725,21.5 58.725,20.5 56.775,20.5 56.775,21.225 56.5,21.5 54,21.5
P12V0 on Top Layer "P12V0_L01_P046" (solid, pour order 46): 38,19.5 42,19.5 42.5,20 52.5,20 53.375,19.125 54.8,19.125 54.8,18.875 53.375,18.875 52.5,18 50,18 46.5,14.5 44,14.5 43,15.5 38,15.5
NetC4_2 on Top Layer "NETC4_2_L01_P045" (solid, pour order 45): 29,16.5 18.5,16.5 15.5,13.5 12,13.5 11,12.5 9.5,12.5 9.5,16.5 13,20 29,20
NetC4_1 on Top Layer "NETC4_1_L01_P044" (solid, pour order 44): 11,11.5 12.5,13 16,13 18.5,15.5 29,15.5 29,7 11,7
no net on Top Layer "balancing" (solid, shelved, pour order 42): 0,0 79.5,0 79.5,119 0,119
GND on GND "GND_L02_P027" (solid, pour order 27): 0,163 100,163 100,3 0,3
no net on Inner Layer 2 "balancing" (solid, pour order 43): 2.5,3 97.5,3 97.5,163 2.5,163

## Keep-outs
Keep-Out Layer:
  drawing of 8315 lines, arcs and shapes, not listed

## Other copper
Top Layer:
  rectangle net GND: 0,0 2.75,119
  rectangle net GND: 76.75,0 79.5,119
Bottom Layer:
  rectangle net GND: 76.75,0 79.5,119
  rectangle net GND: 0,0 2.75,119
  region net NetR53_1: 54.275,76.84 53.275,76.84 53.275,73.565 54.275,73.565
  region net NetR52_1: 58.775,76.84 57.775,76.84 57.775,73.565 58.775,73.565
  region net NetR54_1: 49.775,76.84 48.775,76.84 48.775,73.565 49.775,73.565
  region net NetR55_1: 45.275,76.84 44.275,76.84 44.275,73.565 45.275,73.565
  region net NetR56_1: 40.775,76.84 39.775,76.84 39.775,73.565 40.775,73.565
  region net NetR57_1: 36.275,76.84 35.275,76.84 35.275,73.565 36.275,73.565
  region net NetR58_1: 31.775,76.84 30.775,76.84 30.775,73.565 31.775,73.565
  region net NetR59_1: 27.275,76.84 26.275,76.84 26.275,73.565 27.275,73.565
  region net NetR60_1: 22.775,76.84 21.775,76.84 21.775,73.565 22.775,73.565
  region net NetR51_1: 22.775,72.865 21.775,72.865 21.775,69.59 22.775,69.59
  region net NetR43_1: 58.775,72.865 57.775,72.865 57.775,69.59 58.775,69.59
  region net NetR44_1: 54.275,72.865 53.275,72.865 53.275,69.59 54.275,69.59
  region net NetR45_1: 49.775,72.865 48.775,72.865 48.775,69.59 49.775,69.59
  region net NetR46_1: 45.275,72.865 44.275,72.865 44.275,69.59 45.275,69.59
  region net NetR47_1: 40.775,72.865 39.775,72.865 39.775,69.59 40.775,69.59
  region net NetR48_1: 36.275,72.865 35.275,72.865 35.275,69.59 36.275,69.59
  region net NetR49_1: 31.775,72.865 30.775,72.865 30.775,69.59 31.775,69.59
  region net NetR50_1: 27.275,72.865 26.275,72.865 26.275,69.59 27.275,69.59

## Silkscreen, mask and mechanical layers (free items; w line width, h text height)
Top Overlay:
  drawing of 6 lines, arcs and shapes, not listed
  text "STABLE RF SOURCE v1.0" at 24.455,28.65 h1.5
  text "WUT ISE 2025" at 34.2,25.8 h1.02
  text "+6.0V" at 15.625,20.877 h1.25 r90
  text "+5.0V" at 18.625,20.877 h1.25 r90
  text "+12.0V" at 12.625,19.836 h1.25 r90
  text "+12V DC" at 7.625,4.878 h1.25 r90
  text "9-18V DC MAX" at 9.15,3.978 h0.8 r90
Top Solder:
  rectangle: 76.75,0 79.5,119
  rectangle: 0,0 2.75,119
Bottom Solder:
  rectangle: 76.75,0 79.5,119
  rectangle: 0,0 2.75,119
Mechanical 11:
  lines w2: 10.3,39.715 26.3,39.715 ; 10.3,41.715 26.3,41.715 ; 10.3,43.715 26.3,43.715 ; 10.3,45.715 18.3,45.715 ; 12.3,43.715 12.3,53.715 ; 12.3,60.715 12.3,85.715 ; 12.3,92.715 12.3,108.715 ; 13.3,85.715 18.3,85.715 18.3,60.715 ; 14.3,43.715 14.3,53.715 ; 14.3,60.715 14.3,85.715 ; 14.3,92.715 14.3,108.715 ; 16.3,43.715 16.3,53.715 ; 16.3,60.715 16.3,85.715 10.3,85.715 ; 16.3,92.715 16.3,108.715 ; 16.3,102.715 29,102.715 ; 16.3,104.715 29,104.715 ; 16.3,106.715 29,106.715 ; 18.3,96.715 18.3,104.715 ; 28.5,117.75 28.5,119 36.5,119 36.5,117 28.5,117 28.5,118.25 ; 33.25,37.715 33.25,44.25 ; 33.25,39.5 33.25,45.715 ; 33.3,37.715 46.3,37.715 46.3,45.715 33.3,45.715 ; 33.3,39.715 46.3,39.715 ; 33.3,41.715 46.3,41.715 ; 33.3,43.715 46.3,43.715 ; 36,101.34 36,108.5 ; 36,101.965 36,100.715 61.3,100.715 61.3,92.715 69.3,92.715 69.3,108.715 36,108.715 ; 36,104.715 63.3,104.715 ; 36.3,102.715 63.3,102.715 ; 36.3,106.715 63.3,106.715 ; 53.3,39.715 63.3,39.715 ; 53.3,41.715 63.3,41.715 ; 53.3,43.715 63.3,43.715 ; 54.3,45.715 61.3,45.715 ; 61.3,37.715 61.3,45.715 ; 61.3,97.715 61.3,105.715 ; 61.5,73.75 61.5,81.75 ; 61.5,97.5 61.5,105.5 ; 63.3,37.715 63.3,53.715 ; 63.3,60.715 63.3,85.715 ; 63.3,92.715 63.3,108.715 ; 64.3,85.715 69.3,85.715 69.3,60.715 61.3,60.715 ; 65.3,37.715 65.3,53.715 ; 65.3,60.715 65.3,85.715 ; 65.3,92.715 65.3,108.715 ; 67.3,37.715 67.3,53.715 ; 67.3,60.715 67.3,85.715 ; 67.3,92.715 67.3,108.715 ; 67.55,85.715 61.3,85.715 ; 10.3,60.715 10.3,85.715 ; 10.3,60.715 18.3,60.715 ; 10.3,60.715 10.3,85.715 ; 10.3,60.715 18.3,60.715 ; 18.3,45.715 18.3,53.715 10.3,53.715 10.3,37.715 26.3,37.715 26.3,45.715 18.3,45.715 ; 61.3,45.715 61.3,53.715 ; 61.3,45.715 53.3,45.715 53.3,37.715 69.3,37.715 69.3,53.715 61.3,53.715 ; 61.3,45.715 61.3,53.715 ; 61.3,60.715 61.3,85.715 ; 61.3,60.715 61.3,85.715 ; 10.3,92.715 18.3,92.715 18.3,100.715 29,100.715 29,108.715 10.3,108.715 10.3,92.715

## Text inside footprints (layer, text, board x,y; h text height)
J1: Top Overlay "1" at 19.475,12.4 h1.2 r180; Mechanical 14 "1" at 19.475,12.4 h1.2 r180
J3: Mechanical 8 "2.5mm" at 11.7,-1.4 h1; Mechanical 8 "SLEEVE SHUNT" at 19.225,7.575 h0.5 r90; Mechanical 8 "CENTER PIN" at 11.3,8.675 h0.5 r90
J4: Top Overlay "1" at 33.364,3.15 h1; Top Overlay "2" at 36.874,3.15 h1; Top Overlay "3" at 40.684,3.15 h1; Top Overlay "4" at 44.494,3.15 h1; Top Overlay "5" at 48.304,3.15 h1
J5: Top Overlay "1" at 67.342,9.805 h1 r180; Mechanical 14 "1" at 67.342,9.805 h1 r180